# Altium PCB KEA once.PcbDoc (part 1 of 4) (continued)
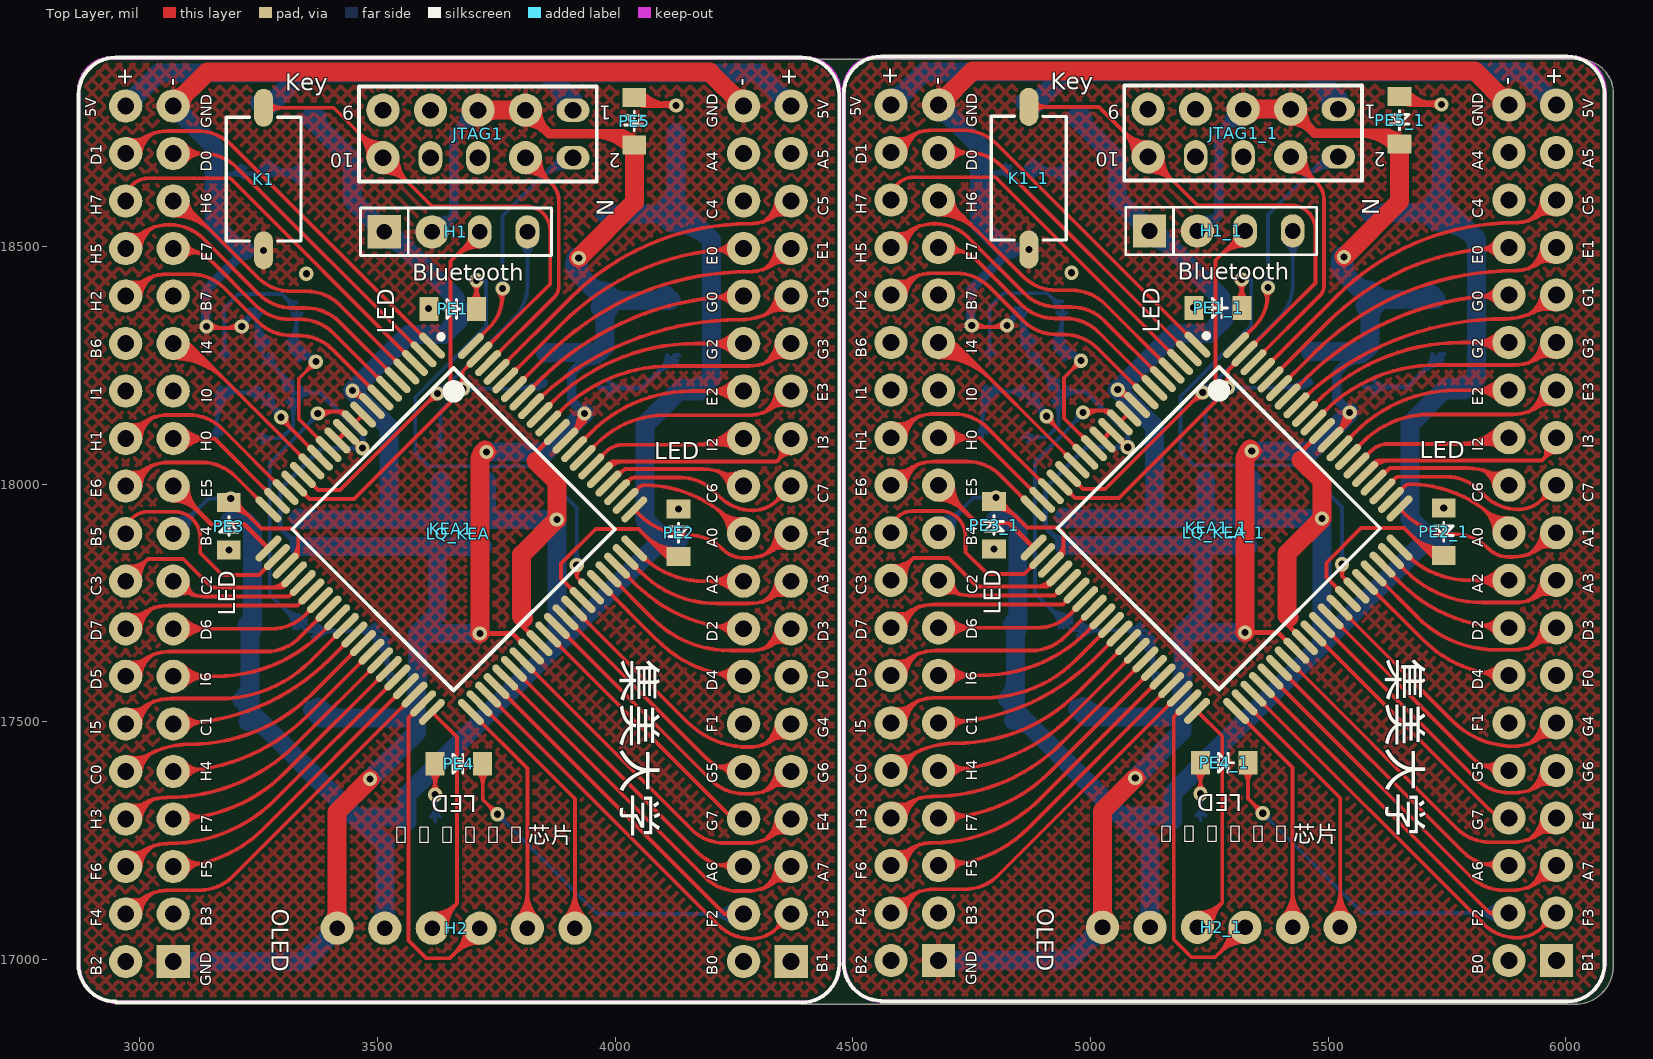
[diagram p0: Top Layer view]
## Nets (pads, with @x,y where several pads share a name; then routed paths per layer and width w, separated by ;. In a path a pad name is that pad's centre, name@x,y a point inside that pad or via, vN(x,y) a via of type N, cw(c..) or ccw(c..) an arc to the next point about the centre after c; other vN are vias at no path point) (continued)
  Bottom Layer w8: R8.1@3622.45,18080.05 ccw(c3599.41,18103.09) 3632,18103.09 ccw(c3664.59,18103.09) R8.1@3641.55,18080.05 ; R8.1@3632,18068 3632,18154 v1(3679,18201) 3838,18201 C7.2@3853,18216 C7.2@3842,18216 ; v1@3668,18201 cw(c3641.44,18201) 3660.22,18182.22 cw(c3679,18163.44) v1@3679,18190 ; v1@3686.78,18193.22 cw(c3705.56,18174.44) 3705.56,18201 cw(c3705.56,18227.56) v1@3686.78,18208.78 ; 3790.23,18201 ccw(c3790.23,18276.27) C7.2@3843.45,18223.05 ; 3809.54,18201 ccw(c3809.54,18256.96) C7.2@3849.11,18217.39 ; 3828.86,18201 ccw(c3828.86,18237.64) C7.2@3854.77,18211.73
A6: KEA1.46 LQ_KEA.6 | length 728.9
  Top Layer w8: KEA1.46@3786.54,17611.6 4172.85,17225.29 ccw(c4243.56,17296) 4243.56,17196 LQ_KEA.6@4270,17196 ; KEA1.46@3806.03,17588.24 cw(c3806.03,17578.89) 3812.64,17585.5 cw(c3819.25,17592.12) KEA1.46@3809.9,17592.12 ; 4234.22,17197.54 ccw(c4236.47,17211.15) LQ_KEA.6@4249.04,17205.47 ; LQ_KEA.6@4240.93,17185.23 ccw(c4220.38,17177.61) 4223.95,17199.24 ccw(c4226.65,17215.59) LQ_KEA.6@4241.75,17208.77
A7: KEA1.45 LQ_KEA.5 | length 1022.5
  Top Layer w8: KEA1.45@3768.44,17593.51 4188.66,17173.29 ccw(c4259.37,17244) 4259.37,17144 4276.58,17144 ccw(c4276.58,17244) 4347.29,17173.29 LQ_KEA.5@4370,17196 ; KEA1.45@3787.93,17570.15 cw(c3787.93,17560.79) 3794.54,17567.41 cw(c3801.16,17574.02) KEA1.45@3791.8,17574.02 ; 4311.5,17149.67 ccw(c4277.6,17201.02) LQ_KEA.5@4339.05,17197.68 ; 4324.07,17157.97 cw(c4353.18,17113.87) LQ_KEA.5@4363.78,17165.63 ; 4324.76,17158.42 ccw(c4297.34,17199.95) LQ_KEA.5@4347.03,17197.25 ; 4338.01,17167.17 ccw(c4317.08,17198.88) LQ_KEA.5@4355.02,17196.81 ; 4340.19,17168.61 cw(c4358.66,17140.63) LQ_KEA.5@4365.38,17173.47
AGND: C1.2 C2.2 C3.1 C4.1 C5.2 C6.1 C7.1 C8.1 C9.1 C10.1 C11.1 C12.1 C13.1 D1.1 D2.1 H1.2 H2.1 JTAG1.3 JTAG1.5 K1.1 KEA1.11 KEA1.12 KEA1.48 KEA1.69 LQ_KEA.38 LQ_KEA.39 LQ_KEA.75 PE5.2 XTAL1.2 XTAL1.4 | length 10034.6
  Top Layer w8: v1@3133,18329 v1@3204,18329 ; v1@3147.78,18324.22 cw(c3159.31,18312.69) 3159.31,18329 ; v1@3147.78,18339.78 ccw(c3173.8,18365.8) 3173.8,18329 ; 3180.2,18329 ccw(c3180.2,18365.8) v1@3206.22,18339.78 ; 3194.69,18329 cw(c3194.69,18312.69) v1@3206.22,18324.22
  Top Layer w10: KEA1.12@3433.35,18074 KEA1.12@3415.21,18092.14 KEA1.11@3433.34,18110.28 3467.62,18076 v1(3468,18076) ; KEA1.11@3450.28,18093.34 ccw(c3468,18111.06) v1@3468,18086 ; KEA1.11@3451.2,18092.42 cw(c3434.77,18076) v1@3458,18076 ; v1(3715,17686) 3784.52,17686 KEA1.48@3822.73,17647.79 ; v1@3722.07,17678.93 cw(c3739.14,17661.86) 3739.14,17686 cw(c3739.14,17710.14) v1@3722.07,17693.07 ; KEA1.69@3895.11,18091.82 3935,18131.72 ; KEA1.69@3905.71,18102.42 ccw(c3859.13,18149) v1@3925,18149 ; 3922.78,18119.49 ccw(c3893.27,18149) v1(3935,18149) 3935,18131.72 ; v1@3930.02,18140.33 cw(c3925.06,18131.72) 3935,18131.72 ; v1@3939.98,18140.33 ccw(c3944.94,18131.72) 3935,18131.72
  Top Layer w20: JTAG1.3@3811,18762 cw(c3811,18701.64) 3853.68,18744.32 cw(c3896.36,18787) JTAG1.3@3836,18787 ; JTAG1.3@3811,18787 3861,18737 4017,18737 ; 3955.33,18737 cw(c3955.33,18634.33) PE5.2@4027.93,18706.93 ; 4003.62,18737 cw(c4003.62,18682.62) PE5.2@4042.07,18721.07 ; PE5.2@4025.04,18714.88 ccw(c3997.33,18717.33) 4017,18737 ; PE5.2@4040,18714 4017,18737
  Top Layer w40: LQ_KEA.75@3070,18796 3141,18867 4199,18867 LQ_KEA.38@4270,18796 ; LQ_KEA.75@3070,18811 ccw(c3070,18847.21) 3095.61,18821.61 ccw(c3121.21,18796) LQ_KEA.75@3085,18796 ; H2.1@3404.39,17076.61 ccw(c3378.79,17102.21) 3415,17102.21 ccw(c3451.21,17102.21) H2.1@3425.61,17076.61 ; H2.1@3415,17066 3415,17311 v1(3484,17380) ; JTAG1.5@3711,18787 JTAG1.3@3811,18787 ; v1(3715,17686) 3715,18054 v1(3729,18068) ; 3715,18046.27 cw(c3750.73,18046.27) v1@3725.46,18071.54 ; 3715,18048.2 cw(c3746.28,18048.2) v1@3725.71,18071.77 ; JTAG1.5@3721.61,18776.39 cw(c3747.21,18750.79) 3747.21,18787 cw(c3747.21,18823.21) JTAG1.5@3721.61,18797.61 ; JTAG1.3@3800.39,18776.39 ccw(c3774.79,18750.79) 3774.79,18787 ccw(c3774.79,18823.21) JTAG1.3@3800.39,18797.61 ; v1(3923,18476) 4040,18593 PE5.2@4040,18714 ; LQ_KEA.38@4255,18796 ccw(c4218.79,18796) 4244.39,18821.61 ccw(c4270,18847.21) LQ_KEA.38@4270,18811
  Bottom Layer w8: v1@3211.15,18342.63 ccw(c3203.08,18372.76) C2.2@3230.09,18357.16 ; v1(3214,18332) C2.2@3245,18363 ; v1@3214,18343 ccw(c3214,18369.56) 3232.78,18350.78 ccw(c3251.56,18332) v1@3225,18332 ; v1@3217.71,18335.71 ccw(c3184.42,18369) C2.2@3231.5,18369 ; v1@3224.63,18334.85 cw(c3245.8,18340.52) 3226.81,18351.48 ; 3231.37,18349.37 ccw(c3211.74,18369) C2.2@3239.5,18369 ; 3232.2,18350.2 cw(c3245,18337.39) C2.2@3245,18355.5 ; C2.2@3235.45,18359.45 cw(c3212.41,18336.41) 3245,18336.41 cw(c3277.59,18336.41) C2.2@3254.55,18359.45 ; XTAL1.2@3245,18305.96 ccw(c3280.75,18305.96) XTAL1.2@3255.75,18280.39 ; 3245,18324.97 ccw(c3299.35,18324.97) XTAL1.2@3261.35,18286.11 ; 3245,18343.98 ccw(c3317.94,18343.98) XTAL1.2@3266.94,18291.83 ; C2.2@3245,18369 C2.2@3245,18363 ; C1.2@3247,18096 3248,18097 3298,18097 3322.5,18121.5 XTAL1.4@3322.5,18192.69 3322.5,18207.5 3259.5,18270.5 XTAL1.2@3259.5,18279.31 3245,18293.81 C2.2@3245,18363 ; C1.2@3256.55,18086.45 cw(c3282.01,18060.99) 3282.01,18097 ; C1.2@3256.55,18105.55 ccw(c3277.18,18126.18) 3277.18,18097 ; XTAL1.2@3259.5,18255.75 cw(c3259.5,18220.14) 3284.68,18245.32 ; XTAL1.2@3270.14,18274.39 ccw(c3305.21,18274.39) 3280.41,18249.59 ; XTAL1.2@3272.54,18297.55 cw(c3336.54,18363) C2.2@3245,18363 ; XTAL1.2@3278.14,18274.39 ccw(c3332.53,18274.39) 3294.07,18235.93 ; 3283.69,18246.31 cw(c3234.99,18197.61) XTAL1.4@3303.86,18197.61 ; 3297.34,18232.66 cw(c3262.3,18197.61) XTAL1.4@3311.86,18197.61 ; 3307.56,18222.44 ccw(c3322.5,18237.37) XTAL1.4@3322.5,18216.25 ; XTAL1.4@3309.32,18174.59 cw(c3277.5,18142.78) 3322.5,18142.78 cw(c3367.49,18142.78) XTAL1.4@3335.68,18174.59 ; XTAL1.4@3311,18219 cw(c3289.61,18197.61) XTAL1.4@3319.86,18197.61 ; XTAL1.4@3314.97,18180.25 cw(c3296.81,18162.09) 3322.5,18162.09 cw(c3348.18,18162.09) XTAL1.4@3330.02,18180.25
  Bottom Layer w10: 3308.39,17894.61 ccw(c3334,17920.21) C10.1@3334,17884 ; 3314.43,17888.57 cw(c3297.36,17871.5) C10.1@3321.5,17871.5 ; XTAL1.4@3322.5,18192.69 3379.31,18192.69 3468,18104 v1(3468,18076) 3381,18076 3295,17990 3295,17908 C10.1@3334,17869 ; XTAL1.4@3334.97,18180.22 cw(c3365.08,18150.11) 3365.08,18192.69 cw(c3365.08,18235.27) XTAL1.4@3334.97,18205.16 ; v1@3460.93,18068.93 ccw(c3443.86,18051.86) 3443.86,18076 ccw(c3443.86,18100.14) 3460.93,18083.07 ccw(c3443.86,18100.14) 3468,18100.14 ccw(c3492.14,18100.14) v1@3475.07,18083.07
  Bottom Layer w20: 3138,18348.9 ccw(c3156.9,18348.9) v1@3143.54,18335.54 ; v1(3140,18332) 3138,18334 3138,18408 3222,18492 v1(3260,18492) ; H1.2@3614.39,18531 3627,18531 3660,18564 ; H1.2@3622.03,18554.81 ccw(c3633.48,18590.52) 3660,18564 ; H1.2@3639.39,18531 cw(c3669.32,18531) 3648.16,18552.16 ; JTAG1.5@3686,18787 cw(c3625.64,18787) 3668.32,18744.32 cw(c3711,18701.64) JTAG1.5@3711,18762 ; JTAG1.5@3711,18787 3660,18736 3660,18564 ; 3917.25,18243.25 cw(c3962.06,18198.43) C6.1@3962.06,18261.81 ; v1(3935,18149) 3908,18176 3908,18234 3951.4,18277.4 C6.1@3966,18277.4
  Bottom Layer w40: LQ_KEA.39@3070,16996 3345,16996 H2.1@3415,17066 ; LQ_KEA.75@3070,18781 cw(c3070,18744.79) 3095.61,18770.39 cw(c3121.21,18796) LQ_KEA.75@3085,18796 ; LQ_KEA.75@3070,18796 3156,18710 3156,18546 3210,18492 3222,18492 ; LQ_KEA.39@3080.61,16985.39 cw(c3106.21,16959.79) 3106.21,16996 cw(c3106.21,17032.21) LQ_KEA.39@3080.61,17006.61 ; C10.1@3334,17869 C9.1@3524,17869 C13.1@3626,17869 ; C5.2@3362.5,17526 3380.5,17508 3558,17508 3582,17532 ; C5.2@3374.87,17530.87 ccw(c3430.1,17586.1) 3430.1,17508 ; H2.1@3400,17066 cw(c3363.79,17066) 3389.39,17040.39 cw(c3415,17014.79) H2.1@3415,17051 ; v1(3484,17380) 3582,17478 3582,17532 ; C13.1@3626,17871 C13.1@3626,17869 ; v1(3715,17686) C4.1@3584.4,17686 ; C8.1@3721,17869 C13.1@3626,17869 ; v1(3729,18068) 3854,18068 v1(3935,18149) ; C7.1@3853,18276 3854.4,18277.4 C6.1@3951.4,18277.4 ; v1@3918,18476 ccw(c3988.01,18476) 3938.51,18426.49 ; v1@3918.75,18478.63 ccw(c3944,18463) 3923,18442 ; v1(3923,18476) 3923,18442 ; D2.1@3944.93,18420.07 ccw(c3978,18453.13) D2.1@3978,18406.37 ; C6.1@3966,18277.4 3978,18289.4 D2.1@3978,18387 ; C6.1@3965.98,18281.35 ccw(c3936.97,18310.36) 3978,18310.36 ; D2.1@3967.78,18371.86 cw(c3943.12,18347.2) 3978,18347.2 cw(c4012.88,18347.2) D2.1@3988.22,18371.86 ; D2.1@3988.22,18376.78 cw(c4012.88,18352.12) 4012.88,18387 cw(c4012.88,18421.88) D2.1@3988.22,18397.22 ; 4079.7,18387 ccw(c4079.7,18425.3) D1.1@4106.78,18398.22 ; D1.1@4117,18388 4116,18387 D2.1@3978,18387 ; 3582,17532 C3.1@3582,17589 3584.4,17591.4 C4.1@3584.4,17686 ; C4.1@3584.4,17686 3626,17727.6 C13.1@3626,17869 ; 3923,18442 D2.1@3978,18387
B0: H2.6 KEA1.42 | length 832.8
  Top Layer w8: KEA1.42@3714.16,17539.22 3915,17338.38 H2.6@3915,17066 ; KEA1.42@3733.64,17515.86 cw(c3733.64,17506.51) 3740.26,17513.12 cw(c3746.87,17519.74) KEA1.42@3737.52,17519.74 ; H2.6@3893.08,17087.92 ccw(c3840.16,17140.84) 3915,17140.84 ccw(c3989.84,17140.84) H2.6@3936.92,17087.92 ; H2.6@3898.74,17082.26 ccw(c3859.47,17121.53) 3915,17121.53 ccw(c3970.53,17121.53) H2.6@3931.26,17082.26 ; H2.6@3904.39,17076.61 ccw(c3878.79,17102.21) 3915,17102.21 ccw(c3951.21,17102.21) H2.6@3925.61,17076.61
B1: H2.5 KEA1.41 | length 780.7
  Top Layer w8: KEA1.41@3696.06,17521.13 3815,17402.19 H2.5@3815,17066 ; KEA1.41@3715.55,17497.77 cw(c3715.55,17488.41) 3722.16,17495.03 cw(c3728.78,17501.64) KEA1.41@3719.42,17501.64 ; H2.5@3793.08,17087.92 ccw(c3740.16,17140.84) 3815,17140.84 ccw(c3889.84,17140.84) H2.5@3836.92,17087.92 ; H2.5@3798.74,17082.26 ccw(c3759.47,17121.53) 3815,17121.53 ccw(c3870.53,17121.53) H2.5@3831.26,17082.26 ; H2.5@3804.39,17076.61 ccw(c3778.79,17102.21) 3815,17102.21 ccw(c3851.21,17102.21) H2.5@3825.61,17076.61
B2: H2.3 KEA1.40 | length 768.1
  Top Layer w8: KEA1.40@3613.94,17517.25 cw(c3613.94,17507.9) 3620.55,17514.52 cw(c3627.16,17521.13) KEA1.40@3617.81,17521.13 ; KEA1.40@3613.94,17521.13 3667,17468.07 3667,17118 ; H2.3@3615,17066 3667,17118 ; H2.3@3615.19,17081 ccw(c3615.62,17115.7) 3640.16,17091.16 ccw(c3664.7,17066.62) H2.3@3630,17066.19 ; H2.3@3615.29,17089 ccw(c3615.95,17142.2) 3653.58,17104.58 ccw(c3691.2,17066.95) H2.3@3638,17066.29 ; H2.3@3615.39,17097 ccw(c3616.29,17168.71) 3667,17118 ; H2.3@3646,17066.39 cw(c3717.71,17067.29) 3667,17118
B3: H2.4 KEA1.39 | length 991.1
  Top Layer w8: KEA1.39@3572.48,17519.74 cw(c3563.13,17519.74) 3569.74,17513.12 cw(c3576.35,17506.51) KEA1.39@3576.35,17515.86 ; KEA1.39@3603.84,17547.22 KEA1.39@3595.84,17539.22 3565,17508.38 3565,17040 3602,17003 3652,17003 H2.4@3715,17066 ; H2.4@3684,17066 cw(c3609.16,17066) 3662.08,17013.08 cw(c3715,16960.16) H2.4@3715,17035 ; H2.4@3692,17066 cw(c3636.47,17066) 3675.74,17026.74 cw(c3715,16987.47) H2.4@3715,17043 ; H2.4@3700,17066 cw(c3663.79,17066) 3689.39,17040.39 cw(c3715,17014.79) H2.4@3715,17051
B4: KEA1.23 LQ_KEA.57 PE3.2 | length 894.1
  Top Layer w8: PE3.2@3187,17962 3201,17962 3256,17907 3322,17907 3333,17896 3333,17855.43 KEA1.23@3306.32,17828.75 ; PE3.2@3191,17959 cw(c3191,17927.62) 3213.19,17949.81 ; PE3.2@3192,17946 cw(c3192,17885.64) 3234.68,17928.32 ; PE3.2@3192,17954 cw(c3192,17912.96) 3221.02,17941.98 ; PE3.2@3202,17970 ccw(c3223.73,17970) PE3.2@3208.36,17954.64 ; PE3.2@3208,17962 ccw(c3224.9,17962) 3212.95,17950.05 ; KEA1.23@3323.07,17850.97 ccw(c3299.08,17874.96) 3333,17874.96 ; KEA1.23@3325.81,17852.11 ccw(c3325.81,17861.46) 3332.42,17854.85 ccw(c3339.03,17848.23) KEA1.23@3329.68,17848.23 ; KEA1.23@3328.72,17845.32 ccw(c3318.4,17855.64) 3333,17855.64
  Bottom Layer w8: LQ_KEA.57@3070,17896 3144,17970 v1(3191,17970) ; LQ_KEA.57@3070,17911 ccw(c3070,17947.21) 3095.61,17921.61 ccw(c3121.21,17896) LQ_KEA.57@3085,17896 ; LQ_KEA.57@3070,17919 ccw(c3070,17974.53) 3109.26,17935.26 ccw(c3148.53,17896) LQ_KEA.57@3093,17896 ; LQ_KEA.57@3070,17927 ccw(c3070,18001.84) 3122.92,17948.92 ccw(c3175.84,17896) LQ_KEA.57@3101,17896 ; v1@3183.22,17962.22 ccw(c3164.44,17943.44) 3164.44,17970 ccw(c3164.44,17996.56) v1@3183.22,17977.78
B5: KEA1.22 LQ_KEA.58 | length 457.7
  Top Layer w8: LQ_KEA.58@2970,17896 cw(c3016,17896) 3016,17942 3073,17942 cw(c3073,17888) 3127,17888 3127,17855 3173,17809 3250.38,17809 KEA1.22@3288.22,17846.84 ; KEA1.22@3264.86,17827.36 cw(c3255.51,17827.36) 3262.12,17820.74 cw(c3268.74,17814.13) KEA1.22@3268.74,17823.48
B6: C1.1 KEA1.14 R1.1 XTAL1.1 | length 1047.5
  Top Layer w8: v1@3297,18130 cw(c3297,18111.14) 3310.33,18124.48 ; v1@3305,18134 3305,18129.81 KEA1.14@3378.94,18055.87 ; v1@3308,18141 ccw(c3342.26,18141) 3318.03,18116.78 ; KEA1.14@3355.58,18075.36 ccw(c3346.22,18075.36) 3352.84,18081.97 ccw(c3359.45,18088.59) KEA1.14@3359.45,18079.23
  Bottom Layer w8: C1.1@3152.45,18105.55 ccw(c3129.41,18128.59) 3162,18128.59 ccw(c3194.59,18128.59) C1.1@3171.55,18105.55 ; C1.1@3162,18096 3162,18184 R1.1@3178,18200 3185.31,18192.69 XTAL1.1@3259.5,18192.69 3259.5,18179.5 v1@3305,18134 ; 3162,18126.28 cw(c3249.22,18126.28) 3187.55,18187.95 cw(c3198.99,18176.51) 3198.99,18192.69 ; 3162,18145.59 cw(c3229.91,18145.59) R1.1@3181.89,18193.61 ; 3162,18164.91 cw(c3210.59,18164.91) R1.1@3176.23,18199.27 ; R1.1@3162,18184.22 cw(c3191.28,18184.22) R1.1@3170.58,18204.92 ; R1.1@3181.89,18201.39 ccw(c3202.88,18222.38) 3202.88,18192.69 ; R1.1@3187.55,18207.05 ccw(c3222.2,18241.7) 3222.2,18192.69 ; XTAL1.1@3246.32,18179.51 ccw(c3214.51,18147.7) 3214.51,18192.69 ccw(c3214.51,18237.69) XTAL1.1@3246.32,18205.87 ; XTAL1.1@3251.98,18185.17 ccw(c3233.82,18167.01) 3233.82,18192.69 ccw(c3233.82,18218.37) XTAL1.1@3251.98,18200.22 ; XTAL1.1@3259.5,18169.13 cw(c3259.5,18144.12) 3277.19,18161.81 ; XTAL1.1@3270.14,18187.77 ccw(c3315.8,18187.77) 3283.52,18155.48 ; 3277.51,18161.49 cw(c3257.03,18141) v1@3286,18141 ; XTAL1.1@3278.14,18187.77 ccw(c3343.12,18187.77) v1@3297.17,18141.83 ; 3279.93,18159.07 ccw(c3297,18176.14) v1@3297,18152 ; 3283.53,18165.46 cw(c3258.87,18151.22) v1@3286.37,18143.85 ; 3284.89,18163.1 ccw(c3306.22,18175.42) v1@3299.85,18151.63
  other v1: 3297,18141
B7: C2.1 KEA1.13 R1.2 XTAL1.3 | length 1337.8
  Top Layer w8: v1@3359,18258 cw(c3332.44,18258) 3351.22,18239.22 cw(c3370,18220.44) v1@3370,18247 ; v1(3370,18258) 3334.08,18222.08 3334.08,18137 KEA1.13@3397.07,18074.01 ; KEA1.13@3373.71,18093.49 ccw(c3364.36,18093.49) 3370.97,18100.11 ccw(c3377.59,18106.72) KEA1.13@3377.59,18097.37
  Bottom Layer w8: R1.2@3168.45,18272.05 ccw(c3145.41,18295.09) 3178,18295.09 ccw(c3210.59,18295.09) R1.2@3187.55,18272.05 ; R1.2@3178,18260 3178,18371 3207,18400 3299,18400 C2.1@3330,18369 3330,18286.81 XTAL1.3@3322.5,18279.31 3348.69,18279.31 ; XTAL1.3@3309.32,18297.41 ccw(c3259.38,18347.34) 3330,18347.34 ; XTAL1.3@3314.1,18284.78 cw(c3328.57,18266.87) XTAL1.3@3344.85,18283.15 ; XTAL1.3@3314.97,18291.75 ccw(c3278.7,18328.03) 3330,18328.03 ; C2.1@3316.5,18369 ccw(c3283.91,18369) 3306.95,18392.05 ccw(c3330,18415.09) C2.1@3330,18382.5 ; XTAL1.3@3319.13,18278.56 cw(c3334.19,18259.92) 3351.14,18276.86 ; C2.1@3320.45,18359.45 cw(c3297.41,18336.41) 3330,18336.41 cw(c3362.59,18336.41) C2.1@3339.55,18359.45 ; XTAL1.3@3320.63,18286.09 ccw(c3298.01,18308.71) 3330,18308.71 ; XTAL1.3@3324.15,18272.33 cw(c3339.81,18252.97) 3357.42,18270.58 ; XTAL1.3@3329.18,18266.11 cw(c3345.43,18246.01) v1@3363.71,18264.29 ; 3330,18311.11 ccw(c3349.38,18311.11) XTAL1.3@3335.68,18297.41 ; XTAL1.3@3334.21,18259.89 cw(c3351.06,18239.06) v1(3370,18258) 3348.69,18279.31 ; XTAL1.3@3340.1,18273.2 cw(c3348.69,18270.22) 3348.69,18279.31 ; XTAL1.3@3340.1,18285.42 ccw(c3348.69,18288.4) 3348.69,18279.31 ; XTAL1.3@3343.96,18278.35 cw(c3328.39,18251.39) v1@3359.14,18256.28 ; 3350.97,18271.64 cw(c3342.95,18257.74) v1@3359,18257.89 ; 3352.97,18270.49 ccw(c3362.31,18286.69) 3367.15,18268.63 cw(c3364.35,18279.1) 3358.93,18269.71 ; 3358.49,18269.96 cw(c3349.73,18254.78) v1@3367.04,18257.53 ; v1@3359,18258 ccw(c3332.44,18258) 3351.22,18276.78 ccw(c3370,18295.56) v1@3370,18269
C0: KEA1.32 LQ_KEA.48 | length 782.7
  Top Layer w8: LQ_KEA.48@2970,17396 2971.85,17397.85 cw(c3105,17264.69) 3105,17453 ccw(c3105,17818.23) 3363.26,17559.97 KEA1.32@3469.18,17665.89 ; LQ_KEA.48@2975.11,17418.43 ccw(c2985.32,17463.28) 3011.6,17425.53 ; LQ_KEA.48@2976.88,17426.23 ccw(c2990.76,17487.16) 3026.46,17435.87 ccw(c3061.13,17386.09) LQ_KEA.48@3000.82,17392.65 ; LQ_KEA.48@2992.87,17393.51 cw(c3037.96,17388.61) 3012.04,17425.83 ; KEA1.32@3445.81,17646.4 cw(c3436.46,17646.4) 3443.07,17639.79 cw(c3449.69,17633.18) KEA1.32@3449.69,17642.53
C1: KEA1.31 LQ_KEA.49 | length 590.7
  Top Layer w8: LQ_KEA.49@3070,17496 ccw(c3070,17962.17) 3399.63,17632.54 KEA1.31@3451.08,17683.99 ; LQ_KEA.49@3088.07,17510.23 ccw(c3111.79,17528.9) 3113.7,17498.77 ccw(c3115.61,17468.64) LQ_KEA.49@3089.72,17484.17 ; LQ_KEA.49@3094.36,17515.18 ccw(c3126.33,17540.34) 3128.9,17499.74 ccw(c3131.48,17459.13) LQ_KEA.49@3096.59,17480.06 ; KEA1.31@3427.72,17664.5 cw(c3418.37,17664.5) 3424.98,17657.89 cw(c3431.59,17651.27) KEA1.31@3431.59,17660.62
C2: KEA1.25 LQ_KEA.55 | length 426.9
  Top Layer w8: LQ_KEA.55@3070,17796 3079.32,17786.68 ccw(c3133.95,17841.3) 3133.95,17764.05 3314,17764.05 KEA1.25@3342.51,17792.56 ; LQ_KEA.55@3079.18,17774.91 cw(c3089.28,17751.72) 3101.93,17773.63 ; LQ_KEA.55@3082.38,17767.58 cw(c3097.15,17733.64) 3115.66,17765.7 cw(c3130.5,17791.39) LQ_KEA.55@3100.91,17793.65 ; LQ_KEA.55@3092.93,17794.25 ccw(c3116.43,17792.46) 3104.65,17772.05 ; KEA1.25@3319.15,17773.07 cw(c3309.8,17773.07) 3316.41,17766.46 cw(c3323.02,17759.84) KEA1.25@3323.02,17769.2
C3: KEA1.24 LQ_KEA.56 | length 637.7
  Top Layer w8: LQ_KEA.56@2970,17796 3017,17843 ; LQ_KEA.56@2972.01,17818.91 ccw(c2975.62,17860.12) 3004.87,17830.87 ccw(c3034.12,17801.62) LQ_KEA.56@2992.91,17798.01 ; LQ_KEA.56@2972.71,17826.88 ccw(c2977.58,17882.42) 3017,17843 ; LQ_KEA.56@3000.88,17798.71 cw(c3056.42,17803.58) 3017,17843 ; 3275.86,17783 ccw(c3275.86,17820.23) KEA1.24@3302.19,17793.9 ; 3295.18,17783 ccw(c3295.18,17800.92) KEA1.24@3307.84,17788.25 ; KEA1.24@3301.05,17791.16 cw(c3291.7,17791.16) 3298.31,17784.55 cw(c3304.93,17777.94) KEA1.24@3304.93,17787.29 ; KEA1.24@3324.41,17810.65 3296.76,17783 3151,17783 3091,17843 3017,17843
C4: JTAG1.4 KEA1.78 | length 796
  Top Layer w8: KEA1.78@3732.25,18254.68 3872.82,18395.25 ccw(c3853.06,18415) 3881,18415 3881,18597 ccw(c3832.72,18597) 3866.86,18631.14 JTAG1.4@3811,18687 ; KEA1.78@3751.74,18278.04 ccw(c3751.74,18287.4) 3758.35,18280.78 ccw(c3764.97,18274.17) KEA1.78@3755.61,18274.17 ; JTAG1.4@3811,18656 cw(c3811,18581.16) 3863.92,18634.08 cw(c3916.84,18687) JTAG1.4@3842,18687 ; JTAG1.4@3811,18664 cw(c3811,18608.47) 3850.26,18647.74 cw(c3889.53,18687) JTAG1.4@3834,18687 ; JTAG1.4@3811,18672 cw(c3811,18635.79) 3836.61,18661.39 cw(c3862.21,18687) JTAG1.4@3826,18687
C5: KEA1.77 LQ_KEA.33 | length 963.3
  Top Layer w8: KEA1.77@3750.35,18236.59 3907.03,18393.27 cw(c4280.58,18019.73) 4280.58,18548 ccw(c4280.58,18648) 4351.29,18577.29 LQ_KEA.33@4370,18596 ; KEA1.77@3769.84,18259.95 ccw(c3769.84,18269.3) 3776.45,18262.69 ccw(c3783.06,18256.07) KEA1.77@3773.71,18256.07 ; 4310.71,18551.92 ccw(c4278.46,18603.52) LQ_KEA.33@4339.1,18598.54 ; 4321.87,18558.9 cw(c4350.77,18512.66) LQ_KEA.33@4363.03,18565.79 ; 4324.23,18560.38 ccw(c4298.28,18601.89) LQ_KEA.33@4347.08,18597.88 ; 4337.75,18568.83 ccw(c4318.1,18600.27) LQ_KEA.33@4355.05,18597.23 ; 4338.24,18569.13 cw(c4356.91,18539.27) LQ_KEA.33@4364.83,18573.59
C6: KEA1.64 LQ_KEA.22 | length 478.1
  Top Layer w8: KEA1.64@3985.59,18001.35 ccw(c3985.59,18010.43) 3992.01,18004.01 4020,18032 4183.09,18032 cw(c4183.09,17909.09) LQ_KEA.22@4270,17996 ; KEA1.64@4005.07,18024.71 ccw(c4005.07,18043.15) 4018.11,18030.11 ; LQ_KEA.22@4239.31,17991.66 ccw(c4190.01,17984.7) 4214.9,18027.81 ccw(c4239.79,18070.93) LQ_KEA.22@4258.41,18024.75 ; LQ_KEA.22@4247.23,17992.78 ccw(c4210.65,17987.61) 4229.12,18019.6 ccw(c4247.59,18051.59) LQ_KEA.22@4261.4,18017.33
C7: KEA1.63 LQ_KEA.21 | length 465.8
  Top Layer w8: KEA1.63@4003.68,17983.25 4031.19,18010.77 cw(c4039,18002.96) 4039,18014 4137.58,18014 cw(c4137.58,17914) 4208.29,17984.71 4218.71,17974.29 ccw(c4289.42,18045) 4289.42,17945 ccw(c4289.42,18016.41) 4339.92,17965.92 ; KEA1.63@4023.17,18006.61 ccw(c4023.17,18015.97) 4029.78,18009.35 ccw(c4036.39,18002.74) KEA1.63@4027.04,18002.74 ; LQ_KEA.21@4342.42,17981.85 cw(c4330.23,17975.6) 4339.92,17965.92 ; LQ_KEA.21@4355.85,17968.42 ccw(c4349.6,17956.23) 4339.92,17965.92 ; LQ_KEA.21@4370,17996 4339.92,17965.92
D0: KEA1.2 LQ_KEA.73 | length 864.9
  Top Layer w8: LQ_KEA.73@3070,18696 3132.63,18696 ; LQ_KEA.73@3088.29,18682.05 cw(c3116.47,18660.56) 3116.47,18696 cw(c3116.47,18731.44) LQ_KEA.73@3088.29,18709.95 ; LQ_KEA.73@3094.65,18677.2 cw(c3132.63,18648.24) 3132.63,18696 ; LQ_KEA.73@3094.65,18714.8 ccw(c3132.63,18743.76) 3132.63,18696 ; KEA1.2@3573.2,18292.98 ccw(c3563.84,18292.98) 3570.46,18299.59 ccw(c3577.07,18306.21) KEA1.2@3577.07,18296.85 ; KEA1.2@3596.56,18273.49 3203.34,18666.71 ccw(c3132.63,18596) 3132.63,18696
D1: KEA1.1 LQ_KEA.74 | length 1064.4
  Top Layer w8: LQ_KEA.74@2975.31,18718.38 ccw(c2983.56,18753.21) 3002.36,18722.74 ; LQ_KEA.74@2977.15,18726.16 ccw(c2989.86,18779.79) 3018.8,18732.88 ; LQ_KEA.74@2984.94,18694.66 cw(c3021.57,18691.38) 3002.27,18722.69 ; LQ_KEA.74@2987.71,18713.71 cw(c3058.42,18643) 3058.42,18743 3121.9,18743 cw(c3121.9,18643) 3192.61,18713.71 KEA1.1@3614.69,18291.63 ; LQ_KEA.74@2992.91,18693.95 cw(c3041.43,18689.61) 3015.86,18731.07 ; LQ_KEA.74@3000.88,18693.24 cw(c3061.28,18687.83) 3029.45,18739.45 ; KEA1.1@3591.33,18311.12 ccw(c3581.98,18311.12) 3588.59,18317.73 ccw(c3595.21,18324.34) KEA1.1@3595.21,18314.99
  Top Layer w10: LQ_KEA.74@2970,18696 LQ_KEA.74@2987.71,18713.71
D2: KEA1.58 LQ_KEA.16 | length 459.3
  Top Layer w8: KEA1.58@4003.68,17828.75 4041.98,17790.45 ccw(c4270,18018.47) LQ_KEA.16@4270,17696 ; KEA1.58@4023.17,17805.39 cw(c4023.17,17796.03) 4029.78,17802.65 cw(c4036.39,17809.26) KEA1.58@4027.04,17809.26 ; LQ_KEA.16@4242.98,17680.81 ccw(c4207.47,17660.84) 4211.2,17701.41 ccw(c4214.93,17741.97) LQ_KEA.16@4246.2,17715.87 ; LQ_KEA.16@4249.95,17684.73 ccw(c4223.61,17669.91) 4226.37,17700.01 ccw(c4229.14,17730.11) LQ_KEA.16@4252.34,17710.74
D3: KEA1.57 LQ_KEA.15 | length 677.6
  Top Layer w8: KEA1.57@3985.59,17810.65 4078.43,17717.8 ccw(c4242.13,17881.5) 4242.13,17650 4282.58,17650 ccw(c4282.58,17750) 4353.29,17679.29 LQ_KEA.15@4370,17696 ; KEA1.57@4005.07,17787.29 cw(c4005.07,17777.94) 4011.69,17784.55 cw(c4018.3,17791.16) KEA1.57@4008.95,17791.16 ; 4310.41,17653.2 ccw(c4278.99,17704.83) LQ_KEA.15@4339.14,17698.99 ; 4320.5,17659.34 cw(c4349.48,17611.71) LQ_KEA.15@4362.67,17665.88 ; 4324.07,17661.51 ccw(c4298.89,17702.9) LQ_KEA.15@4347.11,17698.22 ; 4337,17669.38 cw(c4355.94,17638.25) LQ_KEA.15@4364.56,17673.65 ; 4337.74,17669.83 ccw(c4318.79,17700.97) LQ_KEA.15@4355.07,17697.45
D4: KEA1.56 LQ_KEA.14 | length 525
  Top Layer w8: KEA1.56@3967.49,17792.56 4089.13,17670.92 ccw(c4270,17851.79) LQ_KEA.14@4270,17596 ; KEA1.56@3986.98,17769.19 cw(c3986.98,17759.84) 3993.59,17766.46 cw(c4000.2,17773.07) KEA1.56@3990.85,17773.07 ; LQ_KEA.14@4242.63,17581.45 ccw(c4206.6,17562.3) 4211.32,17602.82 ccw(c4216.03,17643.35) LQ_KEA.14@4246.7,17616.44 ; LQ_KEA.14@4249.69,17585.2 ccw(c4222.96,17571) 4226.46,17601.06 ccw(c4229.96,17631.13) LQ_KEA.14@4252.71,17611.17
D5: KEA1.28 LQ_KEA.52 | length 698.9
  Top Layer w8: LQ_KEA.52@2970,17596 2992.71,17618.71 cw(c3063.42,17548) 3063.42,17648 3265.1,17648 ccw(c3265.1,17748) 3335.81,17677.29 KEA1.28@3396.79,17738.27 ; LQ_KEA.52@2974.62,17618.53 ccw(c2981.34,17651.37) 2999.81,17623.39 ; LQ_KEA.52@2976.22,17626.37 ccw(c2986.82,17678.13) 3015.93,17634.03 ; LQ_KEA.52@2984.98,17595.19 cw(c3022.92,17593.12) 3001.99,17624.83 ; LQ_KEA.52@2992.97,17594.75 cw(c3042.66,17592.05) 3015.24,17633.58 ; LQ_KEA.52@3000.95,17594.32 cw(c3062.4,17590.98) 3028.5,17642.33 ; KEA1.28@3373.43,17718.78 cw(c3364.08,17718.78) 3370.69,17712.17 cw(c3377.31,17705.56) KEA1.28@3377.31,17714.91
D6: KEA1.27 LQ_KEA.53 | length 605.8
  Top Layer w8: LQ_KEA.53@3070,17696 3276.91,17696 ccw(c3276.91,17796) 3347.62,17725.29 KEA1.27@3378.7,17756.37 ; LQ_KEA.53@3080.61,17685.39 cw(c3106.21,17659.79) 3106.21,17696 cw(c3106.21,17732.21) LQ_KEA.53@3080.61,17706.61 ; LQ_KEA.53@3086.26,17679.74 cw(c3125.53,17640.47) 3125.53,17696 cw(c3125.53,17751.53) LQ_KEA.53@3086.26,17712.26 ; LQ_KEA.53@3091.92,17674.08 cw(c3144.84,17621.16) 3144.84,17696 cw(c3144.84,17770.84) LQ_KEA.53@3091.92,17717.92 ; KEA1.27@3355.34,17736.88 cw(c3345.99,17736.88) 3352.6,17730.27 cw(c3359.21,17723.65) KEA1.27@3359.21,17733.01
D7: KEA1.26 LQ_KEA.54 | length 664.6
  Top Layer w8: LQ_KEA.54@2970,17696 2989.71,17715.71 cw(c3060.42,17645) 3060.42,17745 3332,17745 3360.6,17773.6 KEA1.26@3360.6,17774.46 KEA1.26@3343.97,17757.83 ; LQ_KEA.54@2975.03,17718.44 ccw(c2982.63,17752.3) 3001.2,17722.99 ; LQ_KEA.54@2976.78,17726.25 ccw(c2988.6,17778.95) 3017.51,17733.33 ; LQ_KEA.54@2984.96,17694.88 cw(c3022.2,17692.09) 3002.21,17723.63 ; LQ_KEA.54@2992.94,17694.28 cw(c3041.99,17690.6) 3015.66,17732.15 ; LQ_KEA.54@3000.91,17693.68 cw(c3061.78,17689.12) 3029.11,17740.68 ; 3333.9,17746.9 ccw(c3325.82,17754.97) KEA1.26@3337.24,17754.97 ; 3335.97,17748.97 cw(c3341.12,17743.82) KEA1.26@3341.12,17751.1
E0: KEA1.76 LQ_KEA.32 | length 745
  Top Layer w8: KEA1.76@3768.44,18218.49 3887.53,18337.57 cw(c4270,17955.1) LQ_KEA.32@4270,18496 ; KEA1.76@3787.93,18241.85 ccw(c3787.93,18251.21) 3794.54,18244.59 ccw(c3801.16,18237.98) KEA1.76@3791.8,18237.98 ; LQ_KEA.32@4243.55,18512.17 cw(c4208.85,18533.4) 4211.07,18492.78 cw(c4213.29,18452.16) LQ_KEA.32@4245.47,18477.04 ; LQ_KEA.32@4250.38,18508 cw(c4224.63,18523.75) 4226.28,18493.61 cw(c4227.93,18463.48) LQ_KEA.32@4251.8,18481.93
E1: KEA1.75 LQ_KEA.31 | length 897.8
  Top Layer w8: KEA1.75@3786.54,18200.4 3858.89,18272.74 cw(c4279.58,17852.05) 4279.58,18447 ccw(c4279.58,18547) 4350.29,18476.29 LQ_KEA.31@4370,18496 ; KEA1.75@3806.03,18223.76 ccw(c3806.03,18233.11) 3812.64,18226.5 ccw(c3819.25,18219.88) KEA1.75@3809.9,18219.88 ; 4310.89,18451.32 ccw(c4278.22,18502.88) LQ_KEA.31@4339.09,18498.32 ; 4322.49,18458.67 cw(c4351.4,18413.05) LQ_KEA.31@4363.22,18465.75 ; 4324.34,18459.85 ccw(c4298.01,18501.4) LQ_KEA.31@4347.06,18497.72 ; 4337.79,18468.37 ccw(c4317.8,18499.91) LQ_KEA.31@4355.04,18497.12 ; 4338.8,18469.01 cw(c4357.37,18439.7) LQ_KEA.31@4364.97,18473.56
E2: KEA1.68 LQ_KEA.26 | length 670.9
  Top Layer w8: KEA1.68@3913.2,18073.73 3947.56,18108.09 cw(c4159.8,17895.84) 4159.8,18196 LQ_KEA.26@4270,18196 ; KEA1.68@3932.69,18097.09 ccw(c3932.69,18106.44) 3939.31,18099.83 ccw(c3945.92,18093.22) KEA1.68@3936.57,18093.22 ; LQ_KEA.26@4248.08,18174.08 ccw(c4195.16,18121.16) 4195.16,18196 ccw(c4195.16,18270.84) LQ_KEA.26@4248.08,18217.92 ; LQ_KEA.26@4253.74,18179.74 ccw(c4214.47,18140.47) 4214.47,18196 ccw(c4214.47,18251.53) LQ_KEA.26@4253.74,18212.26 ; LQ_KEA.26@4259.39,18185.39 ccw(c4233.79,18159.79) 4233.79,18196 ccw(c4233.79,18232.21) LQ_KEA.26@4259.39,18206.61
E3: KEA1.67 LQ_KEA.25 | length 705.7
  Top Layer w8: KEA1.67@3931.3,18055.63 3961.95,18086.29 cw(c4103.7,17944.54) 4103.7,18145 4277.58,18145 ccw(c4277.58,18245) 4348.29,18174.29 LQ_KEA.25@4370,18196 ; KEA1.67@3950.79,18079 ccw(c3950.79,18088.35) 3957.4,18081.73 ccw(c3964.01,18075.12) KEA1.67@3954.66,18075.12 ; 4311.28,18150.2 ccw(c4277.79,18201.63) LQ_KEA.25@4339.06,18197.89 ; 4323.59,18158.21 cw(c4352.6,18113.65) LQ_KEA.25@4363.59,18165.67 ; 4324.6,18158.87 ccw(c4297.54,18200.43) LQ_KEA.25@4347.04,18197.4 ; 4337.92,18167.54 ccw(c4317.29,18199.22) LQ_KEA.25@4355.03,18196.91 ; 4339.77,18168.75 cw(c4358.24,18140.38) LQ_KEA.25@4365.24,18173.5